# KiCad board Panel-DIY305.kicad_pcb (continued)
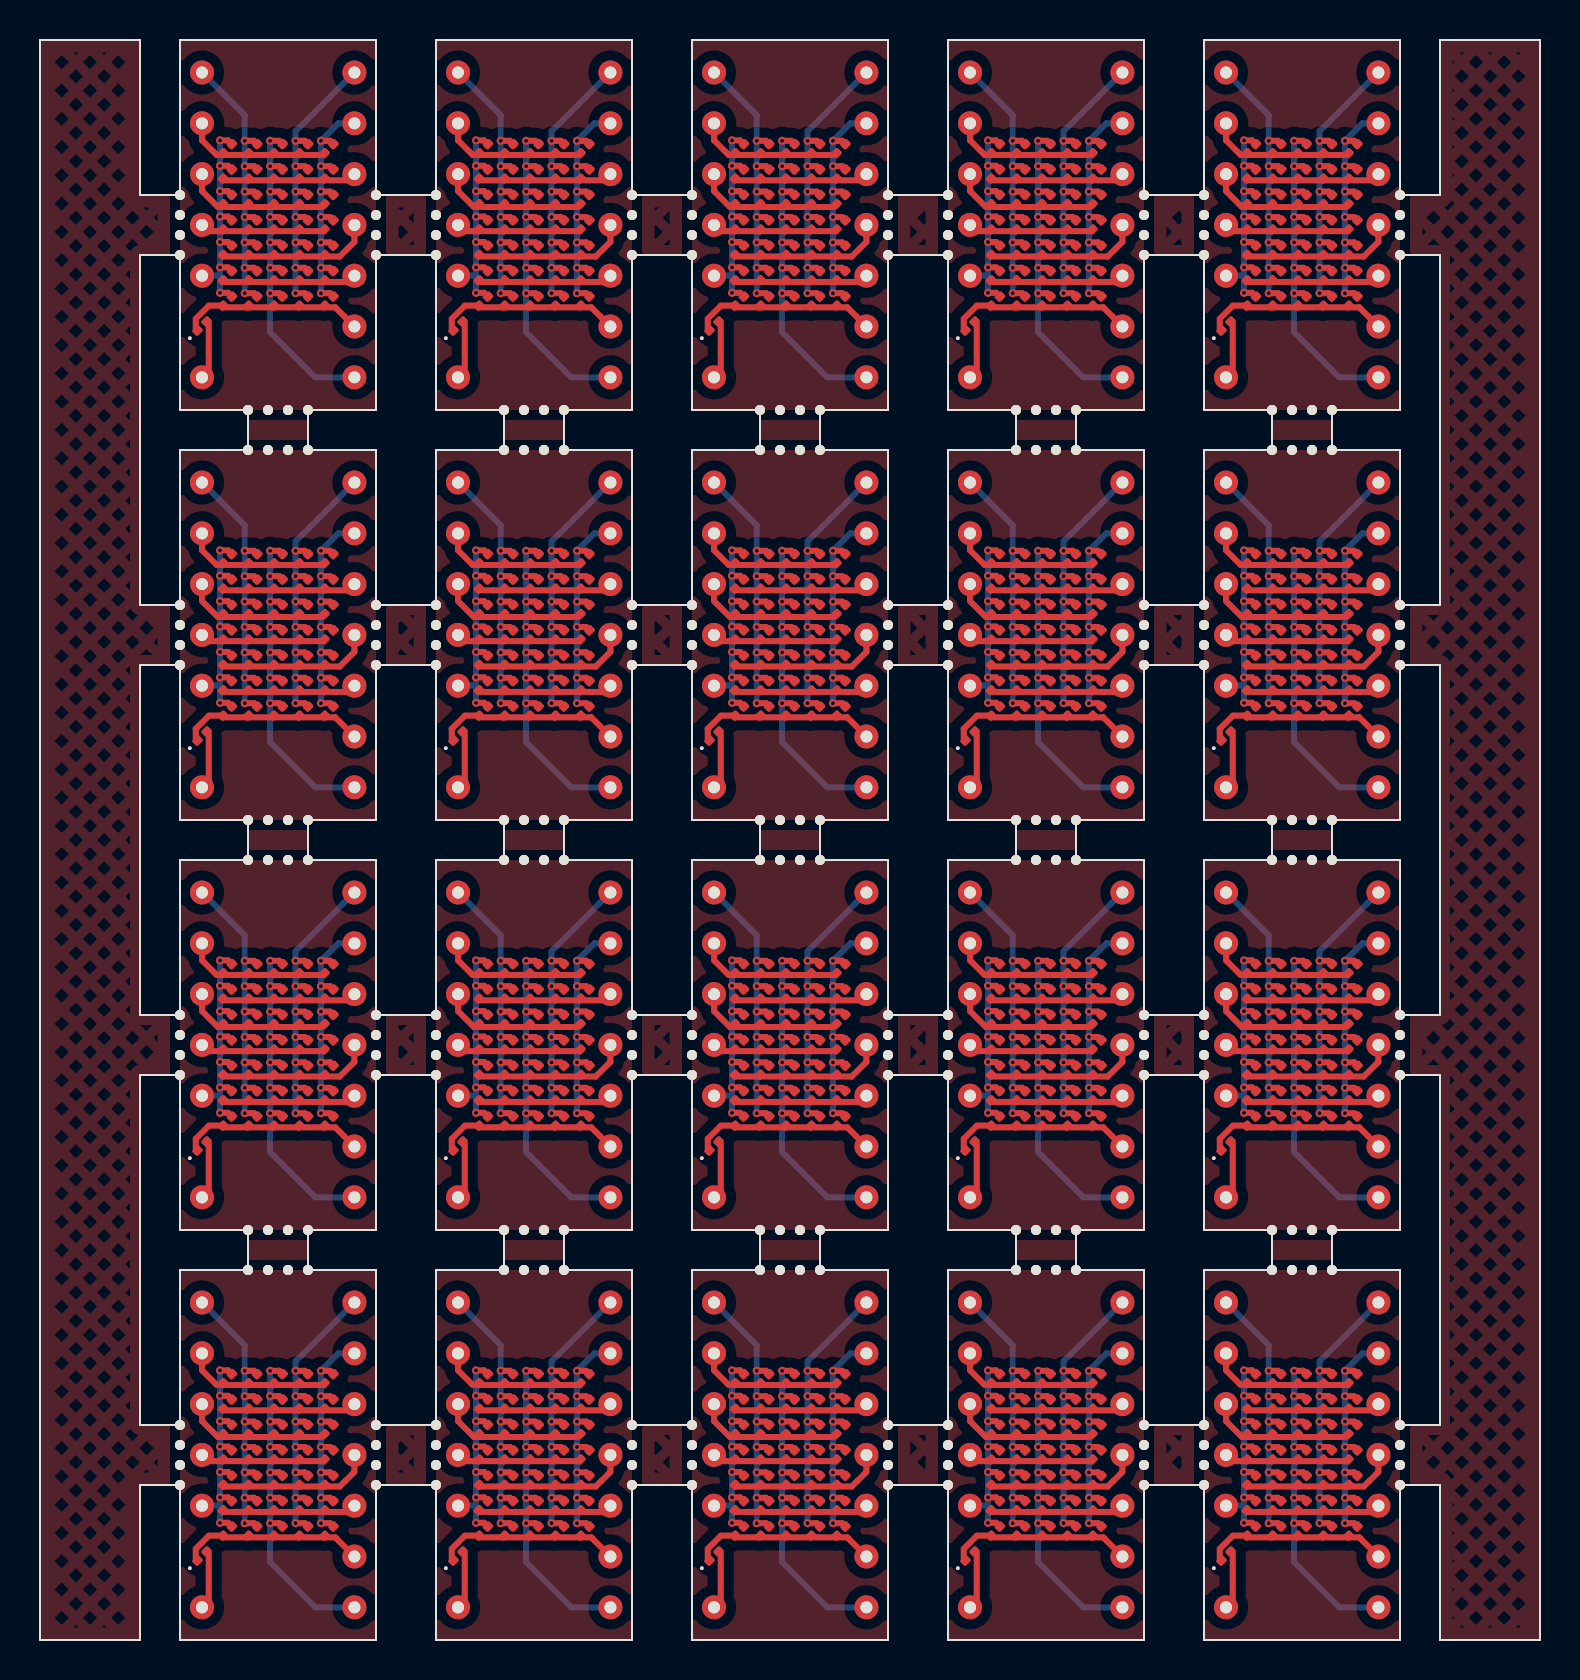
[diagram p0: board, top side]
## Routing (per net, layer and track width the routed paths; a pad name or vN(x,y) marks a point on that pad's centre or on a via; arc(x,y) is an arc through that point) (continued)
Board_8-R5: length 7.8
  Top w0.15: 47.63,48.67 D5#9.1
  Top w0.3: J4#8.11 54.12,49.41 53.39,48.67 47.63,48.67
Board_8-R6: length 6.7
  Top w0.15: 47.63,47.4 D6#5.1 ; J4#8.10 53.81,47.4
  Top w0.3: 53.81,47.4 47.63,47.4
Board_8-R7: length 9.7
  Top w0.15: D7#2.1 47.63,46.13 ; 53.67,45.17 J4#8.9 ; D36#2.1 46.19,45.06
  Top w0.3: D7#2.1 46.85,46.22 46.19,45.56 46.19,45.06 ; 47.63,46.13 53.16,46.13 J4#8.9
Board_9-C1: length 13.2
  Top w0.3: D1#4.2 60.61,54.48 v1(60.2,54.48) ; v1(60.2,48.13) 60.61,48.13 D6#11.2 ; v1(60.2,51.94) 60.61,51.94 D3#6.2 ; D7.2 60.61,46.86 v1(60.2,46.86) ; v1(60.2,49.4) 60.61,49.4 D5#13.2 ; v1(60.2,50.67) 60.61,50.67 D4#6.2 ; v1(60.2,53.21) 60.61,53.21 D2#6.2
  Bottom w0.3: 60.2,47.7 v1(60.2,46.86) ; 60.2,47.7 60.19,47.72 J4#11.5 ; 60.2,47.7 v1(60.2,54.48)
Board_9-C2: length 16.9
  Top w0.3: D9#10.2 61.9,53.19 v1(61.44,53.19) ; v1(61.44,49.38) 61.9,49.38 D12.2 ; D13#19.2 61.9,48.11 v1(61.44,48.11) ; v1(61.44,54.46) 61.9,54.46 D8#7.2 ; v1(61.44,50.65) 61.9,50.65 D11#10.2 ; D10#5.2 61.9,51.92 v1(61.44,51.92) ; 61.41,46.84 v1(61.44,46.84) 61.9,46.84 D14#18.2
  Bottom w0.3: J4#11.1 61.44,55.74 v1(61.44,54.46) v1(61.44,46.84)
Board_9-C3: length 19.6
  Top w0.3: v1(62.71,48.11) 63.17,48.11 D20#14.2 ; D19#8.2 63.17,49.38 v1(62.71,49.38) ; D18#15.2 63.17,50.65 v1(62.71,50.65) ; v1(62.71,46.84) 63.17,46.84 D21#5.2 ; v1(62.71,51.92) 63.17,51.92 D17#13.2 ; D15#15.2 63.17,54.46 v1(62.71,54.46) ; D16#20.2 63.17,53.19 v1(62.71,53.19)
  Bottom w0.3: J4#11.8 64.97,42.63 62.7,44.9 62.7,46.84 v1(62.71,46.84) v1(62.71,54.46)
Board_9-C4: length 17.2
  Top w0.3: D25#4.2 64.44,50.65 v1(63.98,50.65) ; D24#20.2 64.44,51.92 v1(63.98,51.92) ; v1(63.98,46.84) 64.44,46.84 D28.2 ; D26.2 64.44,49.38 v1(63.98,49.38) ; v1(63.98,53.19) 64.44,53.19 D23#2.2 ; v1(63.98,54.46) 64.44,54.46 D22#19.2 ; D27#13.2 64.44,48.11 v1(63.98,48.11)
  Bottom w0.3: v1(63.98,46.84) v1(63.98,54.46) 63.98,54.93 J4#11.14
Board_9-C5: length 14.6
  Top w0.3: D30#20.2 65.71,53.19 v1(65.25,53.19) ; v1(65.25,50.65) 65.71,50.65 D32#9.2 ; D31#14.2 65.71,51.92 v1(65.25,51.92) ; v1(65.25,54.46) 65.71,54.46 D29#16.2 ; v1(65.25,46.84) 65.71,46.84 D35#11.2 ; D33.2 65.71,49.38 v1(65.25,49.38) ; v1(65.25,48.11) 65.71,48.11 D34#17.2
  Bottom w0.3: v1(65.25,46.84) v1(65.25,54.46) 66.12,55.34 J4#11.13
Board_9-DP: length 3
  Top w0.2: D36#13.2 59.64,45.32 ; 59.64,42.97 J4#11.7
  Top w0.3: 59.64,45.32 59.64,42.97
Board_9-R1: length 13.6
  Top w0.15: 65.28,53.7 60.09,53.7 59.3,54.49 ; 65.34,53.75 D29#16.1
  Top w0.3: 65.34,53.75 60.03,53.75 59.3,54.49 J4#11.2
Board_9-R2: length 6.7
  Top w0.15: 60.43,52.48 D2#6.1 ; J4#11.12 66.61,52.48
  Top w0.3: 66.61,52.48 60.43,52.48
Board_9-R3: length 16.9
  Top w0.15: 60.2,51.21 65.34,51.21 ; 60.2,51.21 60.29,51.3 D3#6.1 60.43,51.21 ; 60.2,51.21 60.03,51.21 59.3,51.95 ; 65.28,51.15 D31#14.1 ; 61.7,51.21 D10#5.1 61.53,51.21 60.43,51.21 ; 62,51.21 60.43,51.21
  Top w0.3: 65.28,51.15 60.1,51.15 59.3,51.95 J4#11.3
Board_9-R4: length 6.3
  Top w0.15: 65.34,49.94 D32#9.1 ; J4#11.4 59.61,49.94
  Top w0.3: 59.61,49.94 65.34,49.94
Board_9-R5: length 7.8
  Top w0.15: 60.43,48.67 D5#13.1
  Top w0.3: 60.43,48.67 66.19,48.67 66.92,49.41 J4#11.11
Board_9-R6: length 6.7
  Top w0.15: J4#11.10 66.61,47.4 ; 60.43,47.4 D6#11.1
  Top w0.3: 66.61,47.4 60.43,47.4
Board_9-R7: length 9.7
  Top w0.15: 66.47,45.17 J4#11.9 ; D36#13.1 58.99,45.06 ; D7.1 60.43,46.13
  Top w0.3: 58.99,45.06 58.99,45.56 59.65,46.22 D7.1 ; 60.43,46.13 65.96,46.13 J4#11.9
Board_10-C1: length 13.2
  Top w0.3: D5#12.2 9.41,28.9 v1(9,28.9) ; D2#18.2 9.41,32.71 v1(9,32.71) ; v1(9,27.63) 9.41,27.63 D6#12.2 ; D3#8.2 9.41,31.44 v1(9,31.44) ; v1(9,26.36) 9.41,26.36 D7#15.2 ; D4#3.2 9.41,30.17 v1(9,30.17) ; D1#16.2 9.41,33.98 v1(9,33.98)
  Bottom w0.3: v1(9,33.98) 9,27.2 ; 9,27.2 8.98,27.22 J4#3.5 ; 9,27.2 v1(9,26.36)
Board_10-C2: length 16.9
  Top w0.3: D12#6.2 10.7,28.88 v1(10.24,28.88) ; v1(10.24,27.61) 10.7,27.61 D13#13.2 ; D9#19.2 10.7,32.69 v1(10.24,32.69) ; v1(10.24,30.15) 10.7,30.15 D11#9.2 ; D8#17.2 10.7,33.96 v1(10.24,33.96) ; D10.2 10.7,31.42 v1(10.24,31.42) ; 10.21,26.34 v1(10.24,26.34) 10.7,26.34 D14#2.2
  Bottom w0.3: J4#3.1 10.24,35.24 v1(10.24,33.96) v1(10.24,26.34)
Board_10-C3: length 19.6
  Top w0.3: v1(11.51,27.61) 11.97,27.61 D20#16.2 ; v1(11.51,26.34) 11.97,26.34 D21#3.2 ; v1(11.51,30.15) 11.97,30.15 D18#19.2 ; v1(11.51,32.69) 11.97,32.69 D16#12.2 ; v1(11.51,33.96) 11.97,33.96 D15#12.2 ; v1(11.51,31.42) 11.97,31.42 D17#17.2 ; D19#7.2 11.97,28.88 v1(11.51,28.88)
  Bottom w0.3: v1(11.51,33.96) v1(11.51,26.34) 11.5,26.34 11.5,24.4 13.77,22.14 J4#3.8
Board_10-C4: length 17.2
  Top w0.3: D25#6.2 13.24,30.15 v1(12.78,30.15) ; v1(12.78,31.42) 13.24,31.42 D24#8.2 ; v1(12.78,32.69) 13.24,32.69 D23#3.2 ; D28#12.2 13.24,26.34 v1(12.78,26.34) ; v1(12.78,27.61) 13.24,27.61 D27#18.2 ; D26#7.2 13.24,28.88 v1(12.78,28.88) ; v1(12.78,33.96) 13.24,33.96 D22#8.2
  Bottom w0.3: J4#3.14 12.78,34.43 v1(12.78,33.96) v1(12.78,26.34)
Board_10-C5: length 14.6
  Top w0.3: D30#13.2 14.51,32.69 v1(14.05,32.69) ; D33#9.2 14.51,28.88 v1(14.05,28.88) ; v1(14.05,26.34) 14.51,26.34 D35#15.2 ; D29#6.2 14.51,33.96 v1(14.05,33.96) ; D34#18.2 14.51,27.61 v1(14.05,27.61) ; D32#2.2 14.51,30.15 v1(14.05,30.15) ; D31#10.2 14.51,31.42 v1(14.05,31.42)
  Bottom w0.3: J4#3.13 14.92,34.83 v1(14.05,33.96) v1(14.05,26.34)
Board_10-DP: length 3
  Top w0.2: 8.44,22.47 J4#3.7 ; D36#19.2 8.44,24.82
  Top w0.3: 8.44,24.82 8.44,22.47
Board_10-R1: length 13.6
  Top w0.15: 14.08,33.2 8.89,33.2 8.1,33.99 ; 14.14,33.25 D29#6.1
  Top w0.3: J4#3.2 8.1,33.99 8.83,33.25 14.14,33.25
Board_10-R2: length 6.7
  Top w0.15: 9.23,31.98 D2#18.1 ; J4#3.12 15.41,31.98
  Top w0.3: 15.41,31.98 9.23,31.98
Board_10-R3: length 16.9
  Top w0.15: 10.5,30.71 D10.1 10.33,30.71 9.23,30.71 ; 9,30.71 8.83,30.71 8.1,31.45 ; 9,30.71 9.09,30.8 D3#8.1 9.23,30.71 ; 9,30.71 14.14,30.71 ; 9.23,30.71 10.8,30.71 ; 14.08,30.65 D31#10.1
  Top w0.3: 14.08,30.65 8.9,30.65 8.1,31.45 J4#3.3
Board_10-R4: length 6.3
  Top w0.15: 14.14,29.44 D32#2.1 ; J4#3.4 8.41,29.44
  Top w0.3: 8.41,29.44 14.14,29.44
Board_10-R5: length 7.8
  Top w0.15: 9.23,28.17 D5#12.1
  Top w0.3: J4#3.11 15.72,28.91 14.99,28.17 9.23,28.17
Board_10-R6: length 6.7
  Top w0.15: 9.23,26.9 D6#12.1 ; J4#3.10 15.41,26.9
  Top w0.3: 15.41,26.9 9.23,26.9
Board_10-R7: length 9.7
  Top w0.15: 15.27,24.67 J4#3.9 ; D7#15.1 9.23,25.63 ; D36#19.1 7.79,24.56
  Top w0.3: D7#15.1 8.45,25.72 7.79,25.06 7.79,24.56 ; J4#3.9 14.76,25.63 9.23,25.63
Board_11-C1: length 13.2
  Top w0.3: D4#17.2 22.21,30.17 v1(21.8,30.17) ; D2#11.2 22.21,32.71 v1(21.8,32.71) ; D5#11.2 22.21,28.9 v1(21.8,28.9) ; D1#12.2 22.21,33.98 v1(21.8,33.98) ; D7#16.2 22.21,26.36 v1(21.8,26.36) ; D6#3.2 22.21,27.63 v1(21.8,27.63) ; D3#7.2 22.21,31.44 v1(21.8,31.44)
  Bottom w0.3: v1(21.8,33.98) 21.8,27.2 ; 21.8,27.2 v1(21.8,26.36) ; 21.8,27.2 21.78,27.22 J4#12.5
Board_11-C2: length 16.9
  Top w0.3: v1(23.04,32.69) 23.5,32.69 D9#4.2 ; v1(23.04,31.42) 23.5,31.42 D10#9.2 ; v1(23.04,33.96) 23.5,33.96 D8#9.2 ; v1(23.04,28.88) 23.5,28.88 D12#9.2 ; D11#15.2 23.5,30.15 v1(23.04,30.15) ; 23.01,26.34 v1(23.04,26.34) 23.5,26.34 D14#10.2 ; v1(23.04,27.61) 23.5,27.61 D13#3.2
  Bottom w0.3: v1(23.04,26.34) v1(23.04,33.96) 23.04,35.24 J4#12.1
Board_11-C3: length 19.6
  Top w0.3: v1(24.31,32.69) 24.77,32.69 D16#16.2 ; D19#4.2 24.77,28.88 v1(24.31,28.88) ; v1(24.31,31.42) 24.77,31.42 D17#16.2 ; D18#14.2 24.77,30.15 v1(24.31,30.15) ; D21#18.2 24.77,26.34 v1(24.31,26.34) ; D15#10.2 24.77,33.96 v1(24.31,33.96) ; v1(24.31,27.61) 24.77,27.61 D20#19.2
  Bottom w0.3: v1(24.31,33.96) v1(24.31,26.34) 24.3,26.34 24.3,24.4 26.56,22.14 J4#12.8
Board_11-C4: length 17.2
  Top w0.3: D22#7.2 26.04,33.96 v1(25.58,33.96) ; D24#11.2 26.04,31.42 v1(25.58,31.42) ; D26#19.2 26.04,28.88 v1(25.58,28.88) ; D25#16.2 26.04,30.15 v1(25.58,30.15) ; D23#15.2 26.04,32.69 v1(25.58,32.69) ; v1(25.58,26.34) 26.04,26.34 D28#20.2 ; v1(25.58,27.61) 26.04,27.61 D27#9.2
  Bottom w0.3: J4#12.14 25.58,34.43 v1(25.58,33.96) v1(25.58,26.34)
Board_11-C5: length 14.6
  Top w0.3: v1(26.85,26.34) 27.31,26.34 D35.2 ; v1(26.85,30.15) 27.31,30.15 D32#18.2 ; v1(26.85,32.69) 27.31,32.69 D30#9.2 ; D29#9.2 27.31,33.96 v1(26.85,33.96) ; D33#5.2 27.31,28.88 v1(26.85,28.88) ; D34#13.2 27.31,27.61 v1(26.85,27.61) ; v1(26.85,31.42) 27.31,31.42 D31#11.2
  Bottom w0.3: J4#12.13 27.72,34.83 v1(26.85,33.96) v1(26.85,26.34)
Board_11-DP: length 3
  Top w0.2: D36#5.2 21.24,24.82 ; 21.24,22.47 J4#12.7
  Top w0.3: 21.24,24.82 21.24,22.47
Board_11-R1: length 13.6
  Top w0.15: 26.94,33.25 D29#9.1 ; 20.9,33.99 21.69,33.2 26.88,33.2
  Top w0.3: J4#12.2 20.9,33.99 21.63,33.25 26.94,33.25
Board_11-R2: length 6.7
  Top w0.15: 22.03,31.98 D2#11.1 ; J4#12.12 28.21,31.98
  Top w0.3: 28.21,31.98 22.03,31.98
Board_11-R3: length 16.9
  Top w0.15: 23.3,30.71 D10#9.1 23.13,30.71 22.03,30.71 ; 21.8,30.71 21.63,30.71 20.9,31.45 ; 21.8,30.71 21.89,30.8 D3#7.1 22.03,30.71 ; 21.8,30.71 26.94,30.71 ; 23.6,30.71 22.03,30.71 ; 26.88,30.65 D31#11.1
  Top w0.3: J4#12.3 20.9,31.45 21.7,30.65 26.88,30.65
Board_11-R4: length 6.3
  Top w0.15: 26.94,29.44 D32#18.1 ; J4#12.4 21.21,29.44
  Top w0.3: 21.21,29.44 26.94,29.44
Board_11-R5: length 7.8
  Top w0.15: 22.03,28.17 D5#11.1
  Top w0.3: J4#12.11 28.52,28.91 27.79,28.17 22.03,28.17
Board_11-R6: length 6.7
  Top w0.15: 22.03,26.9 D6#3.1 ; J4#12.10 28.21,26.9
  Top w0.3: 28.21,26.9 22.03,26.9
Board_11-R7: length 9.7
  Top w0.15: 28.07,24.67 J4#12.9 ; D36#5.1 20.59,24.56 ; D7#16.1 22.03,25.63
  Top w0.3: 22.03,25.63 27.56,25.63 J4#12.9 ; 20.59,24.56 20.59,25.06 21.25,25.72 D7#16.1
Board_12-C1: length 13.2
  Top w0.3: D4#19.2 35.01,30.17 v1(34.6,30.17) ; D6#7.2 35.01,27.63 v1(34.6,27.63) ; D5#10.2 35.01,28.9 v1(34.6,28.9) ; v1(34.6,26.36) 35.01,26.36 D7#19.2 ; D1#18.2 35.01,33.98 v1(34.6,33.98) ; D3.2 35.01,31.44 v1(34.6,31.44) ; v1(34.6,32.71) 35.01,32.71 D2#19.2
  Bottom w0.3: 34.6,27.2 34.59,27.22 J4.5 ; 34.6,27.2 v1(34.6,26.36) ; 34.6,27.2 v1(34.6,33.98)
Board_12-C2: length 16.9
  Top w0.3: D12#20.2 36.3,28.88 v1(35.84,28.88) ; v1(35.84,31.42) 36.3,31.42 D10#13.2 ; D8#2.2 36.3,33.96 v1(35.84,33.96) ; D13#9.2 36.3,27.61 v1(35.84,27.61) ; 35.81,26.34 v1(35.84,26.34) 36.3,26.34 D14#16.2 ; D11#14.2 36.3,30.15 v1(35.84,30.15) ; D9#13.2 36.3,32.69 v1(35.84,32.69)
  Bottom w0.3: v1(35.84,26.34) v1(35.84,33.96) 35.84,35.24 J4.1
Board_12-C3: length 19.6
  Top w0.3: D19#20.2 37.57,28.88 v1(37.11,28.88) ; D21#12.2 37.57,26.34 v1(37.11,26.34) ; v1(37.11,33.96) 37.57,33.96 D15#14.2 ; v1(37.11,31.42) 37.57,31.42 D17#19.2 ; v1(37.11,30.15) 37.57,30.15 D18#20.2 ; v1(37.11,27.61) 37.57,27.61 D20#20.2 ; v1(37.11,32.69) 37.57,32.69 D16#5.2
  Bottom w0.3: v1(37.11,33.96) v1(37.11,26.34) 37.1,26.34 37.1,24.4 39.37,22.14 J4.8
Board_12-C4: length 17.2
  Top w0.3: v1(38.38,30.15) 38.84,30.15 D25#3.2 ; v1(38.38,33.96) 38.84,33.96 D22.2 ; D26#14.2 38.84,28.88 v1(38.38,28.88) ; v1(38.38,32.69) 38.84,32.69 D23#13.2 ; v1(38.38,26.34) 38.84,26.34 D28#4.2 ; D27#8.2 38.84,27.61 v1(38.38,27.61) ; v1(38.38,31.42) 38.84,31.42 D24#13.2
  Bottom w0.3: v1(38.38,26.34) v1(38.38,33.96) 38.38,34.43 J4.14
Board_12-C5: length 14.6
  Top w0.3: D33#10.2 40.11,28.88 v1(39.65,28.88) ; v1(39.65,33.96) 40.11,33.96 D29#7.2 ; v1(39.65,26.34) 40.11,26.34 D35#16.2 ; D30#12.2 40.11,32.69 v1(39.65,32.69) ; D32#19.2 40.11,30.15 v1(39.65,30.15) ; v1(39.65,27.61) 40.11,27.61 D34#15.2 ; v1(39.65,31.42) 40.11,31.42 D31#5.2
  Bottom w0.3: J4.13 40.52,34.83 v1(39.65,33.96) v1(39.65,26.34)
Board_12-DP: length 3
  Top w0.2: D36#6.2 34.04,24.82 ; 34.04,22.47 J4.7
  Top w0.3: 34.04,24.82 34.04,22.47
Board_12-R1: length 13.6
  Top w0.15: 33.7,33.99 34.49,33.2 39.69,33.2 ; 39.74,33.25 D29#7.1
  Top w0.3: J4.2 33.7,33.99 34.43,33.25 39.74,33.25
Board_12-R2: length 6.7
  Top w0.15: J4.12 41.01,31.98 ; 34.83,31.98 D2#19.1
  Top w0.3: 41.01,31.98 34.83,31.98
Board_12-R3: length 16.9
  Top w0.15: 36.4,30.71 34.83,30.71 ; 34.83,30.71 35.93,30.71 D10#13.1 36.1,30.71 ; 34.83,30.71 D3.1 34.69,30.8 34.6,30.71 ; 39.68,30.65 D31#5.1 ; 33.7,31.45 34.43,30.71 34.6,30.71 ; 34.6,30.71 39.74,30.71
  Top w0.3: 39.68,30.65 34.5,30.65 33.7,31.45 J4.3
Board_12-R4: length 6.3
  Top w0.15: J4.4 34.01,29.44 ; 39.74,29.44 D32#19.1
  Top w0.3: 34.01,29.44 39.74,29.44
Board_12-R5: length 7.8
  Top w0.15: 34.83,28.17 D5#10.1
  Top w0.3: 34.83,28.17 40.59,28.17 41.32,28.91 J4.11
Board_12-R6: length 6.7
  Top w0.15: 34.83,26.9 D6#7.1 ; J4.10 41.01,26.9
  Top w0.3: 41.01,26.9 34.83,26.9
Board_12-R7: length 9.7
  Top w0.15: D36#6.1 33.39,24.56 ; 40.87,24.67 J4.9 ; D7#19.1 34.83,25.63
  Top w0.3: D7#19.1 34.05,25.72 33.39,25.06 33.39,24.56 ; J4.9 40.36,25.63 34.83,25.63
Board_13-C1: length 13.2
  Top w0.3: v1(47.4,33.98) 47.81,33.98 D1#19.2 ; D7#4.2 47.81,26.36 v1(47.4,26.36) ; v1(47.4,31.44) 47.81,31.44 D3#9.2 ; D2#17.2 47.81,32.71 v1(47.4,32.71) ; v1(47.4,30.17) 47.81,30.17 D4#8.2 ; D5#7.2 47.81,28.9 v1(47.4,28.9) ; v1(47.4,27.63) 47.81,27.63 D6#19.2
  Bottom w0.3: 47.4,27.2 47.38,27.22 J4#5.5 ; 47.4,27.2 v1(47.4,26.36) ; 47.4,27.2 v1(47.4,33.98)
Board_13-C2: length 16.9
  Top w0.3: v1(48.64,31.42) 49.1,31.42 D10#10.2 ; v1(48.64,27.61) 49.1,27.61 D13#11.2 ; D11#20.2 49.1,30.15 v1(48.64,30.15) ; D14#14.2 49.1,26.34 v1(48.64,26.34) 48.61,26.34 ; v1(48.64,28.88) 49.1,28.88 D12#13.2 ; v1(48.64,33.96) 49.1,33.96 D8#5.2 ; v1(48.64,32.69) 49.1,32.69 D9#16.2
  Bottom w0.3: v1(48.64,26.34) v1(48.64,33.96) 48.64,35.24 J4#5.1
Board_13-C3: length 19.6
  Top w0.3: D20#8.2 50.37,27.61 v1(49.91,27.61) ; v1(49.91,28.88) 50.37,28.88 D19#2.2 ; v1(49.91,31.42) 50.37,31.42 D17#15.2 ; v1(49.91,26.34) 50.37,26.34 D21#4.2 ; D16#4.2 50.37,32.69 v1(49.91,32.69) ; D18#11.2 50.37,30.15 v1(49.91,30.15) ; D15#4.2 50.37,33.96 v1(49.91,33.96)
  Bottom w0.3: v1(49.91,33.96) v1(49.91,26.34) 49.9,26.34 49.9,24.4 52.16,22.14 J4#5.8
Board_13-C4: length 17.2
  Top w0.3: D27#2.2 51.64,27.61 v1(51.18,27.61) ; v1(51.18,30.15) 51.64,30.15 D25#7.2 ; D23.2 51.64,32.69 v1(51.18,32.69) ; v1(51.18,33.96) 51.64,33.96 D22#15.2 ; D28#16.2 51.64,26.34 v1(51.18,26.34) ; v1(51.18,28.88) 51.64,28.88 D26#12.2 ; v1(51.18,31.42) 51.64,31.42 D24#5.2
  Bottom w0.3: J4#5.14 51.18,34.43 v1(51.18,33.96) v1(51.18,26.34)
Board_13-C5: length 14.6
  Top w0.3: v1(52.45,30.15) 52.91,30.15 D32#11.2 ; v1(52.45,31.42) 52.91,31.42 D31#3.2 ; v1(52.45,28.88) 52.91,28.88 D33#2.2 ; v1(52.45,32.69) 52.91,32.69 D30#4.2 ; v1(52.45,27.61) 52.91,27.61 D34#12.2 ; D35#20.2 52.91,26.34 v1(52.45,26.34) ; v1(52.45,33.96) 52.91,33.96 D29#11.2
  Bottom w0.3: v1(52.45,26.34) v1(52.45,33.96) 53.32,34.83 J4#5.13
Board_13-DP: length 3
  Top w0.2: 46.84,22.47 J4#5.7 ; D36#7.2 46.84,24.82
  Top w0.3: 46.84,24.82 46.84,22.47
Board_13-R1: length 13.6
  Top w0.15: 46.5,33.99 47.29,33.2 52.49,33.2 ; 52.54,33.25 D29#11.1
  Top w0.3: 52.54,33.25 47.23,33.25 46.5,33.99 J4#5.2
Board_13-R2: length 6.7
  Top w0.15: 47.63,31.98 D2#17.1 ; J4#5.12 53.81,31.98
  Top w0.3: 53.81,31.98 47.63,31.98
Board_13-R3: length 16.9
  Top w0.15: 48.9,30.71 D10#10.1 48.73,30.71 47.63,30.71 ; 47.4,30.71 47.49,30.8 D3#9.1 47.63,30.71 ; 47.4,30.71 52.54,30.71 ; 47.4,30.71 47.23,30.71 46.5,31.45 ; 47.63,30.71 49.2,30.71 ; 52.47,30.65 D31#3.1
  Top w0.3: J4#5.3 46.5,31.45 47.3,30.65 52.47,30.65
Board_13-R4: length 6.3
  Top w0.15: 52.54,29.44 D32#11.1 ; J4#5.4 46.81,29.44
  Top w0.3: 46.81,29.44 52.54,29.44
Board_13-R5: length 7.8
  Top w0.15: 47.63,28.17 D5#7.1
  Top w0.3: J4#5.11 54.12,28.91 53.39,28.17 47.63,28.17
Board_13-R6: length 6.7
  Top w0.15: J4#5.10 53.81,26.9 ; 47.63,26.9 D6#19.1
  Top w0.3: 53.81,26.9 47.63,26.9
Board_13-R7: length 9.7
  Top w0.15: D7#4.1 47.63,25.63 ; D36#7.1 46.19,24.56 ; 53.67,24.67 J4#5.9
  Top w0.3: J4#5.9 53.16,25.63 47.63,25.63 ; 46.19,24.56 46.19,25.06 46.85,25.72 D7#4.1
Board_14-C1: length 13.2
  Top w0.3: v1(60.2,27.63) 60.61,27.63 D6.2 ; v1(60.2,26.36) 60.61,26.36 D7#12.2 ; v1(60.2,33.98) 60.61,33.98 D1#9.2 ; D2#9.2 60.61,32.71 v1(60.2,32.71) ; D3#11.2 60.61,31.44 v1(60.2,31.44) ; v1(60.2,28.9) 60.61,28.9 D5#19.2 ; v1(60.2,30.17) 60.61,30.17 D4#12.2
  Bottom w0.3: 60.2,27.2 v1(60.2,26.36) ; 60.2,27.2 60.19,27.22 J4#2.5 ; 60.2,27.2 v1(60.2,33.98)
Board_14-C2: length 16.9
  Top w0.3: v1(61.44,30.15) 61.9,30.15 D11#2.2 ; v1(61.44,31.42) 61.9,31.42 D10#8.2 ; D14#11.2 61.9,26.34 v1(61.44,26.34) 61.41,26.34 ; D8#8.2 61.9,33.96 v1(61.44,33.96) ; v1(61.44,28.88) 61.9,28.88 D12#15.2 ; D13#10.2 61.9,27.61 v1(61.44,27.61) ; D9#12.2 61.9,32.69 v1(61.44,32.69)
  Bottom w0.3: J4#2.1 61.44,35.24 v1(61.44,33.96) v1(61.44,26.34)
Board_14-C3: length 19.6
  Top w0.3: v1(62.71,33.96) 63.17,33.96 D15#17.2 ; D19#5.2 63.17,28.88 v1(62.71,28.88) ; v1(62.71,30.15) 63.17,30.15 D18#6.2 ; v1(62.71,26.34) 63.17,26.34 D21#16.2 ; v1(62.71,27.61) 63.17,27.61 D20#10.2 ; D16#3.2 63.17,32.69 v1(62.71,32.69) ; v1(62.71,31.42) 63.17,31.42 D17#3.2
  Bottom w0.3: J4#2.8 64.97,22.14 62.7,24.4 62.7,26.34 v1(62.71,26.34) v1(62.71,33.96)
Board_14-C4: length 17.2
  Top w0.3: D28#10.2 64.44,26.34 v1(63.98,26.34) ; v1(63.98,33.96) 64.44,33.96 D22#12.2 ; v1(63.98,28.88) 64.44,28.88 D26#11.2 ; v1(63.98,32.69) 64.44,32.69 D23#7.2 ; v1(63.98,31.42) 64.44,31.42 D24#7.2 ; D27#10.2 64.44,27.61 v1(63.98,27.61) ; v1(63.98,30.15) 64.44,30.15 D25#15.2
  Bottom w0.3: v1(63.98,26.34) v1(63.98,33.96) 63.98,34.43 J4#2.14
Board_14-C5: length 14.6
  Top w0.3: v1(65.25,27.61) 65.71,27.61 D34#7.2 ; v1(65.25,31.42) 65.71,31.42 D31#6.2 ; v1(65.25,28.88) 65.71,28.88 D33#11.2 ; D32#17.2 65.71,30.15 v1(65.25,30.15) ; v1(65.25,33.96) 65.71,33.96 D29#4.2 ; D35#12.2 65.71,26.34 v1(65.25,26.34) ; D30#3.2 65.71,32.69 v1(65.25,32.69)